# Allegro board LAY-95869_A.brd (continued)
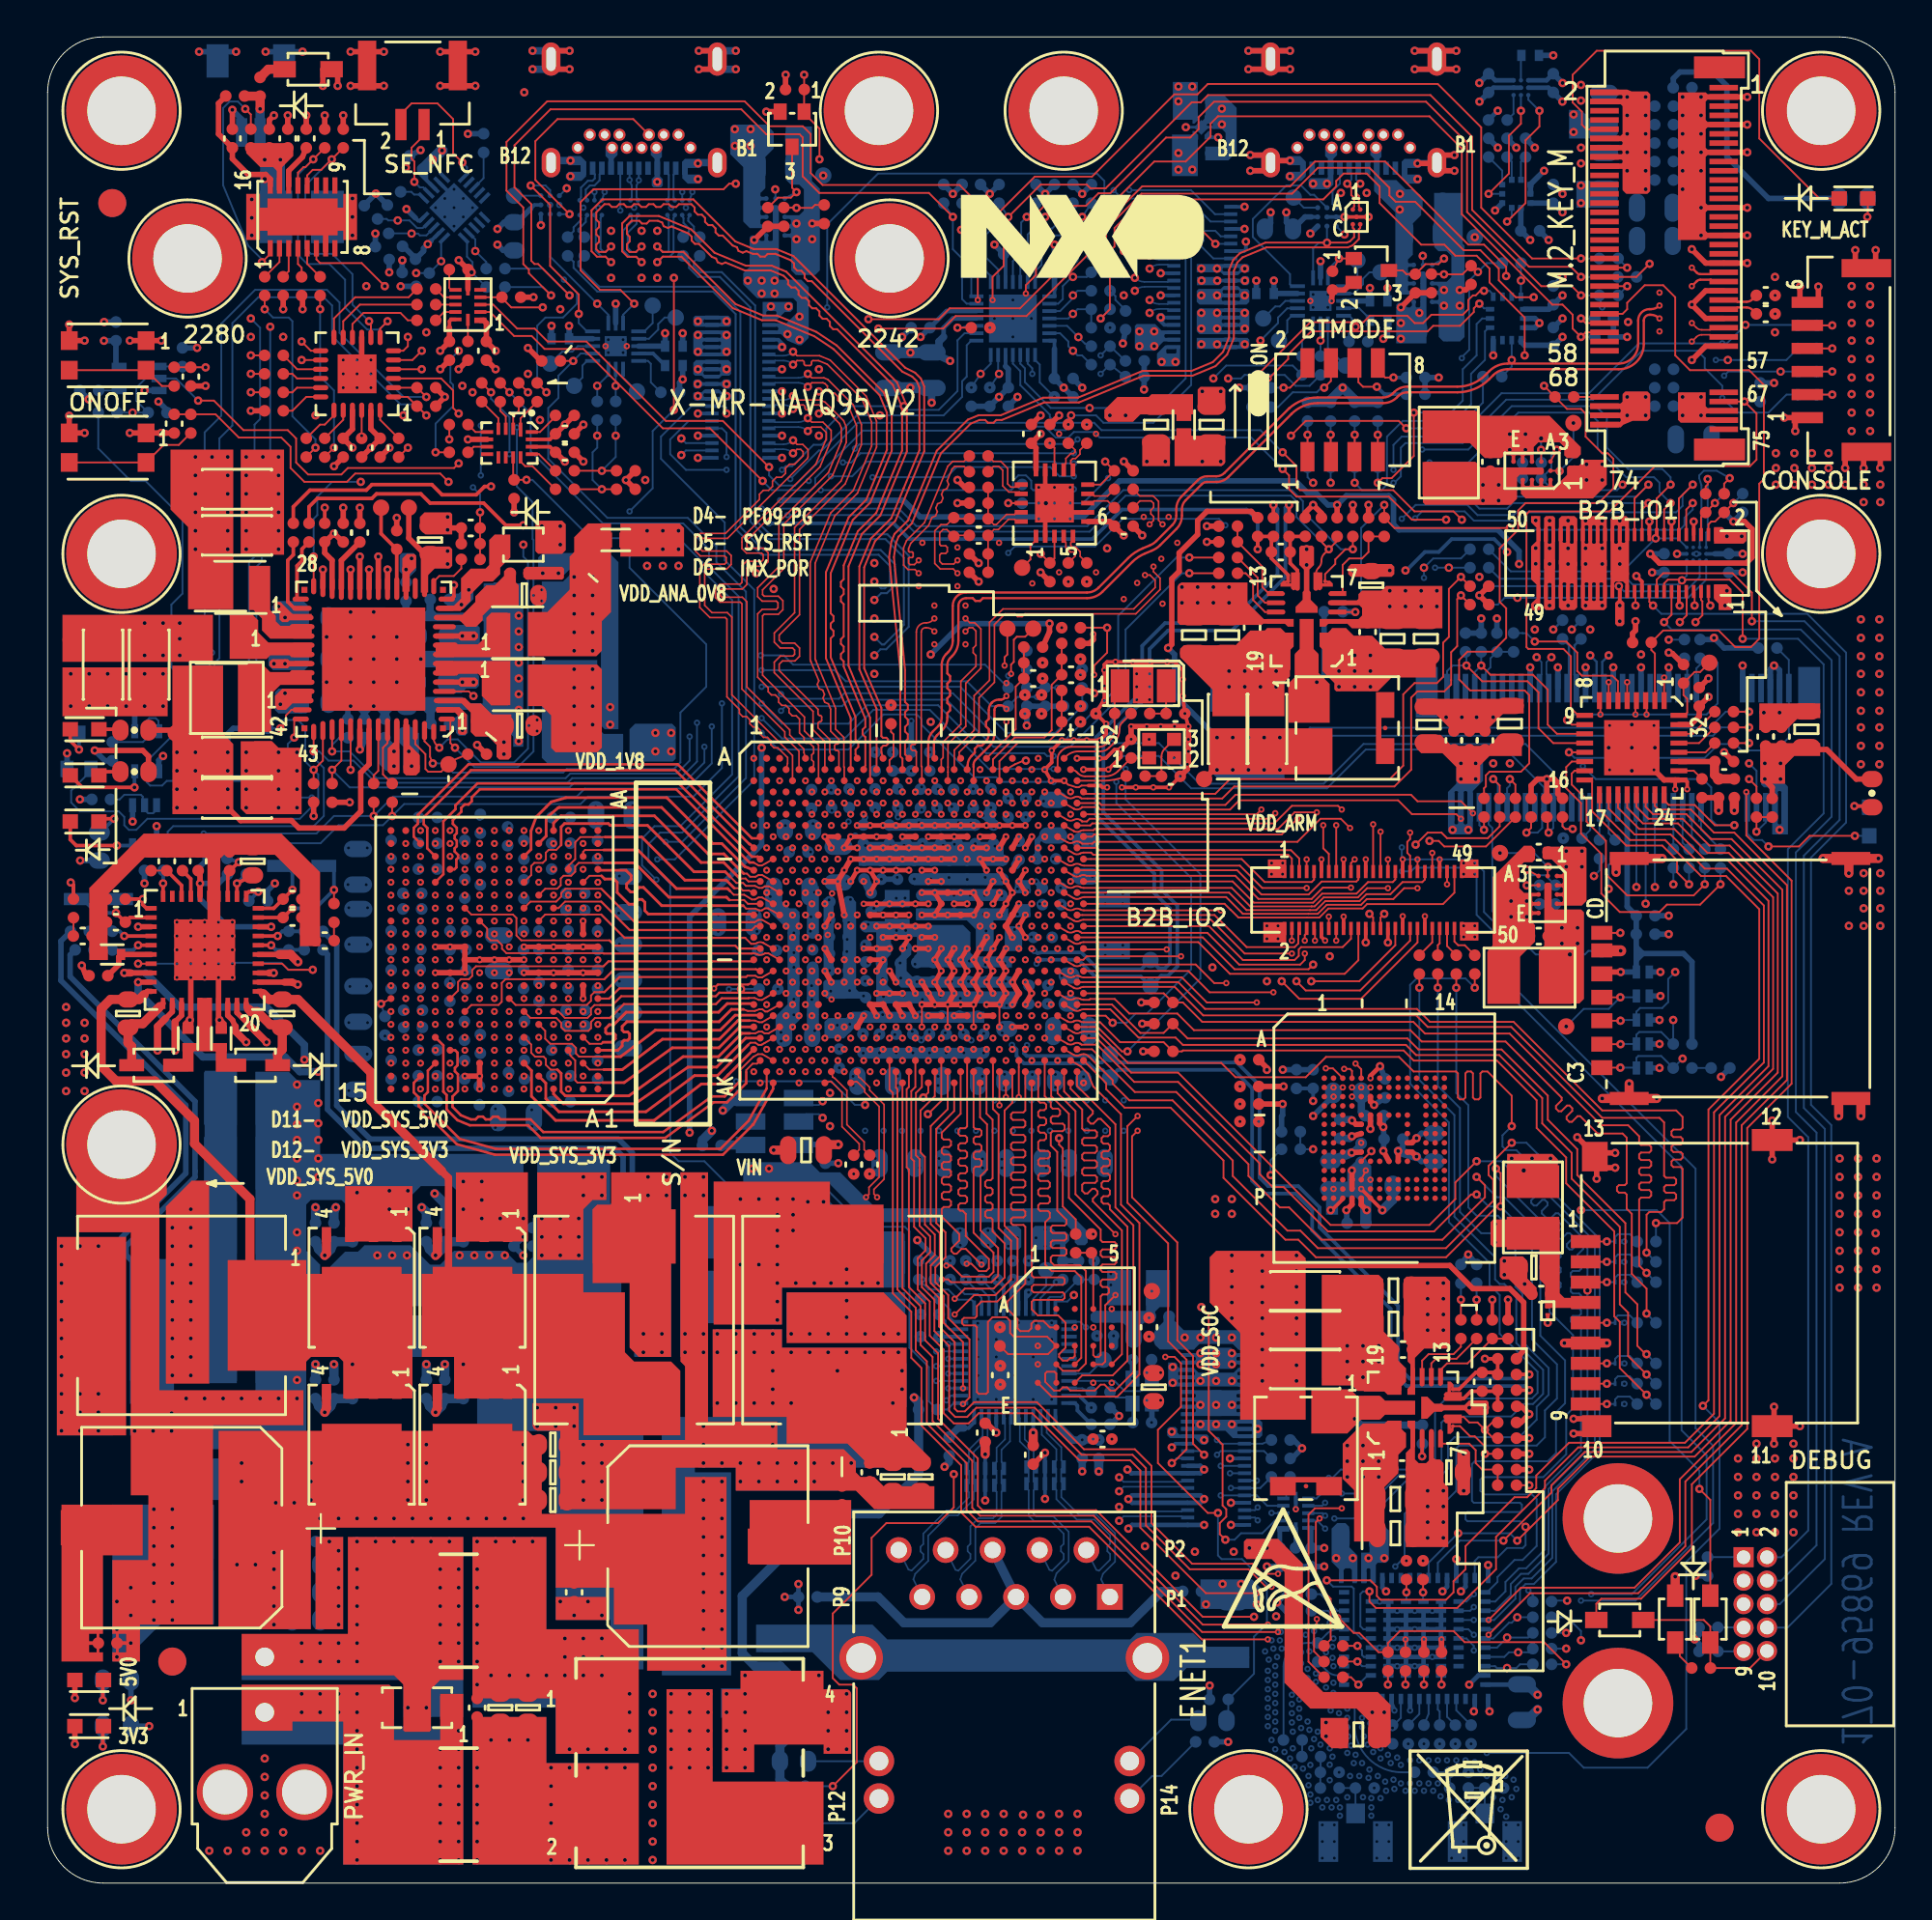
[diagram p0: board, top side]
## Routing (per net, layer and track width the routed paths; a pad name or vN(x,y) marks a point on that pad's centre or on a via; arc(x,y) is an arc through that point)
AVDD10_RTL: length 5.2
  TOP w0.3: v1(51.35,24.4) 50.84,24.91 C416.1
  TOP w0.5: C417.1 v1(53.35,24.4)
  BOTTOM w0.2: v3(56.49,25.75) 55.84,26.4 U35.47 ; U35.4 v1(53.35,24.4) ; U35.9 v1(51.35,24.4)
  BOTTOM w0.5: v3(57.7,29.64) v3(57.7,29.1)
AVDD33_RTL: length 5
  BOTTOM w0.2: U35.1 54.55,24.95 54.85,24.65 ; 49.6,24.65 49.85,24.65 50.15,24.95 U35.12
  BOTTOM w0.4: v3(56.9,24.01) v3(56,24.01) 55.99,24 55.5,24 54.85,24.65 ; v3(48.8,24.16) 49.29,24.65 49.6,24.65
DVDD10_RTL: length 9.9
  L8_IN2 w0.3: v3(48.26,29.6) 48.26,29.61 48.53,29.88 54.77,29.88 55.01,29.64 v3(56.8,29.64)
  BOTTOM w0.2: U35.22 v3(48.26,29.6)
DVDD33_RTL: length 41.7
  L3_IN1 w0.5: v1(46.9,26.3) 46.9,34.65 v1(47.08,34.83)
  BOTTOM w0.3: v1(47.08,34.83) 48,33.9 R315.1 ; R309.2 R319.1 R318.1
  BOTTOM w0.5: v1(46.9,26.3) 47.14,26.06 R336.1 47.15,25.64 47.15,22.15 45,20 42.05,20 37.6,15.55 37.6,12.45 38.3,11.75 39.65,11.75 40.75,10.65 40.75,8.55 39.64,7.44 R359.1 39.64,5.6 R367.1
  vias: v3(52.25,32.69) v3(53.1,32.69) v3(53.5,34.95) v3(54,35.4) v3(54,34.5)
GND: length 978.7
  TOP w0.1: v11(47.32,46.38) v8(47.32,47.59) ; v8(55.02,59.71) 55.23,59.5 55.67,59.36 55.82,59.36 55.97,59.45 56.35,59.45 ; v8(48.72,46.38) v11(48.72,47.59) ; v11(51.52,47.59) v11(51.52,46.38) ; v8(50.12,46.38) v11(50.12,47.59)
  TOP w0.2: v11(61.75,62.65) v11(61.56,63.35) v11(61.45,64.3) v11(61.45,65.2) 61.45,65.7 61,66.15 v11(60.6,66.15) v11(59.65,66.15) v11(58.75,66.15) v11(57.8,66.15) 57.35,66.15 57.2,66 v11(57.2,65.7) v11(57.2,64.85) v11(57.2,64.05) 57.14,64.03 v11(56.74,63.35) v11(57.3,62.79) 57.3,62.25 v11(56.95,61.9) v11(56.25,61.9) v11(55.55,61.9) v11(54.9,61.9) v11(54.35,61.35) 54.35,60.7 53.97,60.32 v8(53.97,60.32) v8(54.32,59.71) v8(55.02,59.71) ; v11(61.31,59.95) 60.71,59.35 v11(60.7,59.35) v11(59.85,59.35) v11(58.9,59.35) v11(58.15,59.35) ; J4.17 v8(70.15,55.45) ; v1(88.34,69.2) 88.35,69.2 88.3,69.25 J3.11 ; v1(86,70.8) 86.3,70.5 J3.21 ; J4.43 v8(75.35,55.45) ; J3.8 v1(89.1,73.75) ; J4.12 68.95,51.25 v4(69.15,51.05) ; J3.20 v1(86.7,73.75) ; v1(72.25,36.45) 71.61,37.09 U15.P6 v11(71.11,37.6) U15.N5 ; J4.11 v8(68.95,55.45) ; J3.14 v1(87.9,73.75) ; U10.25 88.65,59.75 88.75,59.65 v8(88.75,59.25) ; J4.24 v1(71.35,50.95) ; v1(70.2,90.25) U2.B1 v1(71.5,90.25) ; v8(88.1,59.25) 88.1,59.75 ; v8(55.72,60.92) v11(56.93,60.92) 57.27,60.92 57.75,61.4 58.09,61.4 v11(58.1,61.41) 58.1,61 v11(57.42,60.32) v8(56.07,60.32) ; J4.34 v8(73.35,52.37) ; v11(57.35,59.35) 57.1,59.35 57,59.45 56.35,59.45 ; J4.40 v8(74.55,52.37) ; J4.33 v8(73.35,55.45) ; J4.23 v8(71.35,55.45) ; J4.30 v1(72.55,50.95) ; J4.18 v4(70.15,52.35)
  TOP w0.25: v8(54.5,74.75) 54,75.25 U7.14 ; v8(54.5,74.75) 54,74.25 U7.2 ; v8(54.5,74.75) 55,74.25 U7.7
  TOP w0.254: v11(44.87,51.83) v8(45.57,51.83) v11(46.27,51.83) v8(46.97,51.83) v11(47.67,51.83) ; v8(47.67,53.04) v8(46.97,53.04) v11(46.27,53.04) v8(45.57,53.04) v11(44.87,53.04) v8(44.17,53.04) ; v11(52.22,46.38) v11(52.92,46.38) ; v11(71.6,43.6) 71.6,43.73 v1(72.12,44.24) ; v8(49.77,53.04) v8(49.07,53.04) ; v11(51.52,53.65) v8(51.17,53.04) ; v8(45.57,50.62) 45.57,50.62 v11(44.87,50.62) v8(44.17,50.62) ; v8(52.92,54.86) v11(52.57,54.26) v8(52.92,53.65) ; v8(46.97,50.62) v8(47.67,50.62) ; v8(51.87,55.47) v11(51.17,55.47) v8(50.47,55.47) v11(50.82,54.86) ; v11(52.92,51.23) v8(52.57,51.83) v8(52.92,52.44) ; v11(52.92,57.29) v8(52.22,57.29) v11(51.52,57.29) v8(50.82,57.29) v11(50.12,57.29) v8(49.42,57.29) v11(48.72,57.29) v8(48.02,57.29) v11(47.32,57.29) v8(46.62,57.29) v11(45.92,57.29) v8(45.22,57.29) v11(44.52,57.29) v8(43.82,57.29) ; v11(47.67,54.26) v8(48.37,54.26) ; v8(46.27,48.19) v11(45.57,48.19) v8(44.87,48.19)
  TOP w0.3: v11(45.92,48.8) v8(45.57,49.41) ; 98.45,77.4 99.2,77.4 v1(99.2,76.65) ; 98.45,77.4 J2.SH1 97.3,77.53 v1(97.3,76.65) ; 98.45,77.4 98.3,77.25 v1(98.3,76.65) ; U9.27 v1(14.9,71.15) ; v1(89,88.5) 89.75,87.75 J1.39 v1(92,87.75) ; v1(97.85,88.45) 97.85,87.47 J2.SH2 98.95,87.47 v1(98.95,88.45) ; R59.2 68.07,74.22 v1(68.5,74.65) 68.95,74.2 R64.2 ; v1(1.17,79.48) SW3.2 v1(2,78.55) ; v1(72.3,40.95) 72.11,41.15 U15.E7 ; R146.2 v1(79.05,31.6) ; 83.75,38.75 J6.13 83.75,39.45 ; 83.75,38.75 83.85,38.65 v1(83.85,38.15) ; 83.75,38.75 v1(84.85,38.75) ; J1.57 89.75,83.25 v1(89,82.5) ; U12.V32 v11(48.72,50.01) v8(49.07,49.41) v8(48.72,48.8) v11(49.07,48.19) v11(48.72,47.59) ; J6.11 v1(94.85,24.75) ; J6.11 93.45,24.85 v1(93.45,25.8) ; J6.11 93.45,24.65 v1(93.45,23.8) ; Q1.2 v1(38.9,95.95) ; v1(4.45,83.55) SW1.1 v1(6.15,83.55) ; C42.2 89.41,64.76 v1(89.9,65.25) ; 17.3,99.2 J10.S2 17.3,97.35 ; 17.3,99.2 v1(18.2,99.2) ; 17.3,99.2 v1(16.4,99.2) ; C2.2 v1(13,95.75) ; C24.2 v1(16,74.5) ; v1(67.25,98.25) 66.2,98.25 ; 66.2,98.25 v1(65,98.25) ; 66.2,98.25 J12.SH3 66.2,99.25 ; C13.2 53.26,79.01 v1(53.75,79.5) ; 83.75,39.45 83.75,39.55 v1(84.85,39.55) ; 83.75,39.45 v1(82.8,40.4) ; R295.2 v1(66.9,43.15) ; v1(41.39,89.89) 42.03,89.89 R8.2 ; 22.2,99.2 J10.S1 22.2,97.35 ; 22.2,99.2 v1(23.15,99.2) ; 22.2,99.2 v1(21.25,99.2) ; 66.2,93.3 66.2,93.6 v1(65.1,93.6) ; 66.2,93.3 v1(67.25,93.3) ; 66.2,93.3 J12.SH1 66.2,92.75 v1(65.1,92.75) ; U10.25 87.5,59.75 v8(86.95,60.3) ; v11(61.31,59.95) 61.7,60.34 v11(61.7,60.6) 61.75,60.65 v11(61.75,61.3) v11(61.75,61.95) v11(61.75,62.65) v11(61,62.65) v11(60.25,62.65) v11(59.5,62.65) v11(58.65,62.65) v11(58.65,61.96) v11(58.1,61.41) ; C6.2 21.74,82.49 v1(21.25,82) ; U15.H10 73.85,40.1 v1(74.1,40.35) ; U3.6 22.75,87.39 R11.2 v1(22.25,87.9) ; v1(82.6,25.15) 83.45,25.15 J6.10 83.8,24.75 83.4,24.35 v1(82.6,24.35) ; v1(76.15,93.6) 75.2,93.6 J12.SH2 75.2,93.15 ; J1.27 v1(92,90.75) ; C12.2 28.51,78.51 v1(29,79) ; v1(90.75,61.25) 91.25,60.75 C59.2 ; v11(42.77,54.26) v8(42.07,54.26) ; v11(42.77,54.26) v11(43.12,52.44) ; v11(42.77,54.26) v8(43.12,54.86) v8(43.47,55.47) v11(44.17,55.47) v8(44.87,55.47) v11(45.57,55.47) v8(46.27,55.47) v11(46.97,55.47) v8(47.67,55.47) v11(48.37,55.47) v8(49.07,55.47) ; v8(69.5,85.7) R13.2 70.19,86.29 70.6,86.7 Q2.2 ; v1(74.15,93.15) 75.2,93.15 ; 75.2,93.15 75.2,92.75 v1(76.15,92.75) ; C7.2 23.76,82.49 v1(24.25,82) ; J1.9 v1(92,95.25) ; v1(93.35,41.3) J6.12 ; J6.12 v1(93.35,39.2) ; J6.12 v1(94.85,40.25) ; v8(47.32,48.8) v11(47.67,48.19) v8(48.02,47.59) ; v1(1.17,84.42) SW1.2 v1(2,83.55) ; v11(48.72,47.59) v8(49.42,47.59) v11(50.12,47.59) v11(50.47,48.19) v8(50.12,48.8) v11(50.47,49.41) v8(50.12,50.01) U12.V36 v11(50.82,51.23) ; v11(48.72,47.59) v8(48.02,47.59) ; J1.45 89.75,86.25 v1(89,85.5) 89.75,84.75 J1.51 ; v1(29,77) 28.51,77.49 C16.2 ; U9.24 v1(16.4,71.15) ; R75.2 v1(50.4,71.5) ; J1.15 v1(92,93.75) ; U12.V40 v8(51.52,50.01) v11(51.87,49.41) v8(51.52,48.8) v8(51.87,48.19) v11(51.52,47.59) v8(50.82,47.59) ; v1(65,99.25) 66.2,99.25 ; 66.2,99.25 v1(67.25,99.25) ; J1.33 v1(92,89.25) ; v1(95.85,86.47) 95.85,85.62 J2.6 94.85,85.62 v1(94.85,86.47) ; v1(70.3,36.45) 70.61,36.76 U15.P4 ; C9.2 6.41,78.54 6.4,78.55 v1(6.15,78.55) SW3.1 v1(4.45,78.55) ; R36.2 v1(11,79.75) ; C14.2 v1(15.5,76.75) ; R2.2 39.94,97.94 v1(39.95,97.95) ; v8(47.32,47.59) v8(48.02,47.59) ; v1(76.25,98.25) 75.2,98.25 ; 75.2,98.25 J12.SH4 75.2,99.25 ; 75.2,98.25 v1(74,98.25) ; v1(28.25,99.25) 27.25,99.25 J13.SH3 27.25,98.25 v1(28.25,98.25) ; R58.2 v1(62.75,73.5) ; R18.2 13.8,85.94 v1(13.8,85.25) ; C417.2 53.37,22.69 v1(53.99,23.31) ; C15.2 v1(18.5,77.75) ; U15.J5 v1(70.59,39.56) ; R25.2 v1(22.25,82) ; R67.2 v1(71.5,74.65) ; U15.G5 v1(70.6,40.45) ; U13.3 v1(4.9,51.8) ; R12.2 76.75,86.29 v1(76.44,86.29) ; R56.2 v1(49.25,74.75) ; U12.J43 53.27,56.68 ; v1(21.65,73.3) 21.75,73.4 C23.2 R74.2 ; U15.K8 v1(72.3,39.66) ; D12.C v1(1.48,7.53) ; v1(21.25,97.35) 22.2,97.35 ; 22.2,97.35 v1(23.15,97.35) ; v1(59.25,73) 58.76,73.49 C22.2 ; v1(76.25,99.25) 75.2,99.25 ; 75.2,99.25 v1(74,99.25) ; R150.2 79.77,25.83 v1(80.2,25.4) 79.75,24.95 R151.2 ; C25.2 v1(16.9,74.5) ; v1(16.4,97.35) 17.3,97.35 ; 17.3,97.35 v1(18.2,97.35) ; v10(16.75,81.75) 17,82 U4.9 ; v8(52.92,48.8) v8(53.27,48.19) v8(52.92,47.59) ; v1(35.25,98.25) 36.25,98.25 J13.SH4 36.25,99.25 v1(35.25,99.25) ; C3.2 v1(14,95.75) ; C1.2 v1(10,96.05) ; D11.C v1(1.48,10.03) ; R72.1 v1(18.9,73.95) ; C8.2 8.54,81.09 v1(8.55,81.1) ; R154.2 v1(80.2,22.4) ; J1.3 v1(92,96.75) ; U5.6 v1(22.75,78.2) ; v1(12.75,85.25) R17.2
  TOP w0.5: J5.G1 v1(87.1,42.5) ; J5.G1 v1(85.61,43.3) ; J5.G1 v1(84.15,42.5) ; 97.3,55.5 97.5,55.3 v1(97.5,54.7) ; 97.3,55.5 v1(96.1,55.5) ; 97.3,55.5 J5.G4 v1(99.1,55.5) ; v1(82.1,29.25) J6.6 v1(84.4,29.25) ; C416.2 v1(50.75,23.23) ; v1(96.95,41.55) 96.95,42.5 J5.G3 98.15,42.5 v1(98.15,41.55) ; v1(87.4,55.5) J5.G2 84.9,55.5 v1(84.9,54.75) ; C365.2 v1(39.3,39.7)
  TOP w0.6: v1(85.15,50.5) 84.15,50.5 J5.C5
  L2_GND1 w0.25: 73.75,93.47 J12.B1 73.22,94 ; 28.7,93.47 J13.B12 29.23,94 ; 34.27,94 J13.B1 34.8,93.47 ; 68.18,94 J12.B12 67.65,93.47
  L2_GND1 w0.3: v11(56.07,43.34) v12(56.45,43.15)
  L2_GND1 w0.4: 36.25,97.5 J13.SH4 ; J13.SH4 35.34,98.8 ; J13.SH4 37.16,98.8 ; 65.29,98.8 J12.SH3 ; J12.SH3 66.2,97.5 ; J12.SH3 67.11,98.8 ; 27.25,91.99 J13.SH1 ; J13.SH1 28.16,93.19 ; J13.SH1 26.34,93.19 ; 65.29,93.19 J12.SH1 ; J12.SH1 67.11,93.19 ; J12.SH1 66.2,91.99 ; J12.SH4 76.11,98.8 ; J12.SH4 74.29,98.8 ; J12.SH4 75.2,97.5 ; 36.25,91.99 J13.SH2 ; J13.SH2 35.34,93.19 ; J13.SH2 37.16,93.19 ; J13.SH3 28.16,98.8 ; J13.SH3 27.25,97.5 ; J13.SH3 26.34,98.8 ; 74.29,93.19 J12.SH2 ; J12.SH2 75.2,91.99 ; J12.SH2 76.11,93.19
  L2_GND1 w0.5: 9.6,3.21 J9.S1 ; J9.S1 9.6,6.65 ; J9.S1 11.32,4.93 ; J9.S1 7.88,4.93 ; J9.S2 13.9,6.65 ; J9.S2 13.9,3.21 ; J9.S2 12.18,4.93 ; J9.S2 15.62,4.93
  L3_IN1 w0.3: v12(43.85,53.4) v8(44.17,53.04)
  L4_GND2 w0.2: v9(67.56,20.25) v6(67.56,19.85)
  L4_GND2 w0.25: 73.75,93.47 J12.B1 73.22,94 ; 34.8,93.47 J13.B1 34.27,94 ; 29.23,94 J13.B12 28.7,93.47 ; 67.65,93.47 J12.B12 68.18,94
  L4_GND2 w0.3: v9(27.38,56.31) v6(26.98,55.96) v8(26.58,55.61) ; v8(40.67,56.68) v6(40.61,56.16) v8(41.02,56.08) ; v8(20.18,52.11) v6(20.58,52.46) ; v6(20.58,52.46) v9(20.18,52.81) ; v6(20.58,52.46) v8(20.98,52.11) ; v10(60.2,51.15) v6(60.2,51.55) ; v12(43.35,49.9) v6(42.95,50) ; v8(43.47,46.98) 43.14,46.78 v6(43.13,46.79) ; v8(47.67,53.04) v6(48.1,53.05) ; v8(24.98,47.21) v6(25.38,46.86) ; v8(52.57,51.83) v6(52.21,52.05) ; v12(51.55,29.45) 51.88,29.65 v6(52.1,30) ; v12(51.55,29.45) v6(52.1,29) ; v12(51.55,29.45) 51.21,29.65 v6(51,30) ; v12(51.55,29.45) v6(51,29) ; v8(46.97,45.77) v6(46.77,45.39) ; v10(18.5,75.9) v6(18.9,75.9) ; v8(19.38,45.11) v6(18.98,44.76) ; v8(55.37,54.26) v6(55.1,54.55) ; v10(64.5,50.3) v6(64.5,50.7) ; v11(43.12,52.44) v6(43,52.85) ; v10(74.25,47.75) v6(74.25,47.35) ; v8(28.18,48.61) v6(28.58,48.26) v8(28.18,47.91) ; v8(46.97,53.04) v6(46.58,52.98) ; v10(80.05,55.65) v6(80.05,56.05) ; v8(55.02,59.71) v6(55.4,59.55) v8(55.37,59.11) ; v10(44.35,81.1) v6(44.63,81.38) ; v8(22.58,51.41) v6(22.98,51.06) ; v6(22.98,51.06) v8(23.38,50.71) ; v6(22.98,51.06) v8(23.38,51.41) ; v10(8.2,55.5) v6(8.2,55.9) ; v8(25.78,47.91) v6(26.18,47.56) v8(26.58,47.21) ; v10(79.2,14.4) v6(78.8,14.4) ; v10(74.3,65.9) v6(74.3,66.3) ; v8(27.38,47.91) v6(27.78,47.56) v9(28.18,47.21) ; v10(74.3,61.4) v6(74.3,61.8) ; v8(18.58,45.81) v6(18.98,46.16) v8(19.38,46.51) ; v6(21.38,50.36) v8(21.78,50.01) ; v10(94.15,14.95) v6(94.15,15.35) ; v8(24.18,56.31) v6(23.78,56.66) ; v10(94.15,16.15) v6(94.15,16.55) ; v6(43.8,50.95) v8(44.17,50.62) v6(44.47,50.37) v12(44.25,49.85) ; v8(20.18,45.81) v6(19.78,45.46) ; v8(55.37,55.47) v6(55.8,55.5) ; v10(54.5,82.2) v6(54.78,82.48) ; v8(21.78,47.21) v6(22.18,47.56) v8(22.58,47.91) ; v10(82.15,82.2) v6(82.15,81.8) ; v10(84.6,88.35) v6(84.88,88.07) ; v8(54.32,58.5) v6(54.75,58.45) ; v8(27.38,50.01) v6(27.78,49.66) ; v8(51.17,51.83) v6(51.38,51.48) ; v8(41.02,51.22) v6(40.6,51.1) ; v9(19.38,53.51) v6(18.98,53.86) v8(18.58,54.21) ; v8(46.27,55.47) v6(46.04,55.8) ; v8(43.47,55.47) v6(43.86,55.56) ; v10(76.6,6.95) v6(77,6.95) ; v10(69.4,13.55) v6(69.12,13.83) ; v10(68.55,51.85) v6(68.15,51.85) ; v9(24.18,51.41) v6(23.78,51.76) ; v10(57.55,60.7) v6(57.15,60.7) ; v8(26.58,44.41) v6(26.98,44.06) v9(27.38,43.71) ; v8(23.38,45.11) v6(22.98,44.76) v8(22.58,45.11) ; v10(77.25,49.2) v6(77.25,49.6) ; v8(24.98,52.81) v6(25.38,53.16) ; v8(48.72,48.8) v6(48.31,48.79) ; v10(57.05,62.2) v6(56.77,62.48) ; v8(49.77,53.04) v6(50.17,53.12) ; v10(73.2,53.75) v6(73.2,54.15) ; v8(29.78,45.81) v6(29.38,46.16) v9(28.98,46.51) ; v8(20.98,47.91) v6(20.58,47.56) v9(20.18,47.21) ; v10(68.7,68.6) v6(68.7,69) ; v8(28.18,51.41) v6(28.58,51.76) ; v8(51.17,53.04) v6(50.76,53.08) ; v8(41.02,47.59) v6(40.8,47.95) ; v8(48.02,47.59) v6(48.45,47.42) ; v8(23.38,47.21) v6(22.98,46.86) ; v8(29.78,48.61) v6(30.18,48.26) ; v10(9.75,65.95) v6(9.75,66.35) ; v8(20.98,51.41) v6(20.58,51.76) v8(20.18,51.41) ; v8(28.18,45.81) v6(28.58,45.46) ; v10(45.2,77.3) v6(45.48,77.58) ; v8(47.67,50.62) v6(47.33,50.39) v8(46.97,50.62) ; v10(54.8,86.95) v6(54.4,86.95) ; v8(69.5,85.7) v6(69.7,86.05) ; v6(52.1,28) 51.98,28.49 v12(51.55,28.55) 51.09,28.48 v6(51,28.05) ; v6(43.13,46.79) v8(43.12,46.38) ; v6(43.13,46.79) 43.11,46.78 v8(42.77,46.98) ; v6(21.38,42.66) v8(21.78,43.01) ; v10(59.95,57.05) v6(59.95,57.45) ; v8(45.57,50.62) v6(45.81,50.24) ; v10(64.25,54.15) v6(64.25,54.55) ; v6(53,30) v6(53,29) v8(53.6,29.1) ; v8(19.38,50.01) v6(18.98,49.66) ; v6(55,49.6) v8(55.37,49.41) v6(55.3,48.9) ; v8(24.18,49.31) v6(24.58,48.96) ; v10(61.9,78.5) v6(62.18,78.78) ; v8(24.18,46.51) v6(23.78,46.16) ; v10(60.15,31.1) v6(60.43,31.38) ; v10(50,85.05) v6(49.6,85.05) ; v10(63.1,46.55) v6(63.1,46.95) ; v12(56.45,43.15) v6(56.85,43.15) ; v10(58.85,80.25) v6(58.45,80.25) ; v8(50.12,48.8) v6(49.46,48.88) ; v10(58.55,82.25) v6(58.15,82.25) ; v8(24.18,54.21) v6(24.58,54.56) ; v10(21.05,75.9) v6(20.65,75.9) ; v10(77.35,39.9) v6(77.35,40.3) ; v8(49.77,45.77) v6(49.45,45.39) ; v8(25.78,54.91) v6(25.38,55.26) v8(24.98,54.91) ; v10(77.75,15.35) v6(78.15,15.35) ; v8(24.18,47.91) v6(24.58,47.56) ; v8(47.67,59.11) v6(47.69,59.54) ; v8(28.98,45.11) v6(29.38,44.76) ; v8(46.27,59.11) v6(46.27,59.62) ; v6(53,28) 53.19,28.56 v12(53.7,28.6) v8(53.6,29.1) ; v8(50.47,55.47) v6(50.14,55.14) ; v10(72.2,8.4) v6(72.2,8) ; v8(54.32,56.08) v6(54.64,55.83) ; v10(21.5,27) v6(21.5,27.4) ; v10(57.35,75.5) v6(56.95,75.5) ; v8(44.52,45.16) v6(44.6,44.75) v8(44.17,44.56) ; v8(44.87,55.47) v6(44.56,55.73) ; v10(54.35,77.15) v6(53.95,77.15) ; v8(28.18,50.01) v6(28.58,50.36) ; v10(69.7,53.95) v6(69.7,54.35) ; v10(60.95,60) v6(60.95,60.4) ; v10(76.25,8.6) v6(76.25,8.2) ; v8(20.18,50.01) v6(19.78,50.36) ; v10(63.45,42.05) v6(63.17,42.33) ; v10(63.35,45.1) v6(63.35,45.5) ; v8(26.58,57.01) v6(26.98,57.36) ; v10(58.45,35.55) v6(58.17,35.83) ; v10(61,51.15) v6(61,51.55) ; v8(24.18,55.61) v6(24.58,55.96) ; v10(53,68.4) v6(53,68) ; v6(48.88,55.9) 48.92,55.88 v8(49.07,55.47) v6(49.05,55.05) ; v8(22.58,48.61) v6(22.98,48.96) v8(23.38,49.31) ; v8(24.98,48.61) v6(25.38,48.26) ; v10(70.65,16.4) v6(71.05,16.4) ; v8(24.98,50.71) v6(25.38,51.06) ; v10(78.4,37.3) v6(78.4,37.7) ; v8(45.57,49.41) v6(45.77,49.05) ; v8(21.78,44.41) v6(21.38,44.06) v9(20.98,43.71) ; v8(55.37,56.68) v6(55.1,57) ; v8(50.12,50.01) v6(50.49,50.2) v8(50.47,50.62) ; v8(24.18,44.41) v6(24.58,44.06) ; v10(54.5,89.5) v6(54.1,89.5) ; v8(26.58,50.01) v6(26.98,50.36) ; v8(44.87,48.19) v6(44.75,48.6) ; v10(60.75,49.45) v6(60.35,49.45) ; v10(60.9,46.6) v6(60.5,46.6) ; v10(48.85,76.65) v6(49.13,76.93) ; v10(51.75,81.95) v6(52.03,82.23) ; v10(16.2,28.75) v6(16.2,29.15) ; v10(57.15,61.4) v6(56.75,61.4) ; v8(20.98,50.01) v6(20.58,49.66) ; v10(60.45,58.8) v6(60.05,58.8) ; v8(26.58,43.01) v6(26.98,42.66) ; v10(84.1,55.5) v6(84.1,55.9) ; v8(21.78,52.81) v6(22.18,52.46) v8(22.58,52.11) ; v10(76.9,64.6) v6(76.62,64.88) ; v10(94.15,17.45) v6(94.15,17.85) ; v10(77.55,58.55) v6(77.83,58.83) ; v12(49.4,52.42) v6(49.45,51.95) ; v8(48.37,45.77) v6(48.04,45.39) ; v8(49.07,50.62) v6(48.94,51.04) v12(49.27,51.45) ; v8(28.98,54.91) v6(29.38,55.26) ; v6(19.78,54.56) v8(20.18,54.21) ; v8(18.58,50.01) v6(18.18,50.36) ; v10(78.1,81.5) v6(78.1,81.1) ; v10(59.35,51.15) v6(59.35,51.55) ; v10(69,52.85) v6(68.6,52.85) ; v8(25.78,45.11) v6(25.38,44.76) v8(24.98,45.11) ; v9(28.98,53.51) v6(29.38,53.86) v8(29.78,54.21) ; v10(91.85,85.9) v6(91.85,85.5) ; v8(18.58,51.41) v6(18.18,51.76) ; v8(54.32,47.59) v6(54.15,47.21) ; v10(76.3,13.45) v6(76.3,13.85) ; v10(90.25,87.75) v6(90.65,87.75) ; v10(47.85,77.7) v6(48.13,77.98) ; v10(81.35,11.9) v6(81.35,12.3) ; v8(47.32,47.59) v6(46.92,47.5) ; v8(24.18,53.51) v6(23.78,53.86) ; v10(51.6,86.95) v6(51.2,86.95) ; v10(41,77.15) v6(41.4,77.15) ; v10(15,28.75) v6(15,29.15) ; v10(53,65.95) v6(53,65.55) ; v8(55.37,57.89) v6(55.65,58.2) ; v10(67.7,54.4) v6(67.7,54.8) ; v8(29.78,50.01) v6(30.18,50.36) ; v10(43.3,78.45) v6(43.7,78.45) ; v10(75.15,65.9) v6(75.15,66.3) ; v8(50.82,47.59) v6(51.16,47.38) ; v10(80.2,11.2) v6(79.8,11.2) ; v10(54.35,76.3) v6(53.95,76.3) ; v8(29.78,51.41) v6(30.18,51.76) ; v10(58.9,24.05) v6(58.5,24.05) ; v10(59.85,28.7) v6(60.13,28.98) ; v10(21.25,79.45) v6(21.25,79.05) ; v8(53.6,29.1) v12(54,29.15) ; v10(67.1,12.45) v6(66.82,12.73) ; v10(68.95,10.55) v6(68.67,10.83) ; v10(75.25,49.2) v6(75.25,49.6) ; v10(69.9,68.6) v6(69.9,69) ; v10(80.6,16.2) v6(80.32,16.48) ; v8(45.57,53.04) v6(45.55,53.46) ; v10(59.15,56.15) v6(59.15,56.55) ; v8(26.58,52.81) v6(26.18,52.46) v8(25.78,52.11) ; v10(76.15,10.8) v6(76.15,10.4) ; v8(28.18,54.21) v6(28.58,54.56) ; v10(61,45.2) v6(60.6,45.2) ; v10(62.25,54.1) v6(62.53,54.38) ; v10(51.55,78.55) v6(51.55,78.95) ; v8(24.18,52.11) v6(24.58,52.46) ; v10(60.25,78.55) v6(60.53,78.83) ; v10(55.15,84.55) v6(54.75,84.55) ; v10(55.55,61.55) v6(55.95,61.55) ; v8(41.02,46.38) v6(40.66,46.71) ; v8(44.17,54.26) v6(43.9,53.96) ; v8(54.32,53.65) v6(54.45,54.04) ; v10(65.55,21.05) v6(65.15,21.05) ; v10(43.05,76.05) v6(43.33,76.33) ; v8(47.67,55.47) v6(47.24,55.66) ; v10(60.75,65.7) v6(60.75,65.3) ; v8(20.98,48.61) v6(20.58,48.26) v8(20.18,48.61) ; v10(77.85,52.65) v6(77.85,53.05) ; v10(60.7,64) v6(60.7,63.6) ; v8(18.58,48.61) v6(18.18,48.26) ; v12(43.35,48.95) v6(43,48.75) ; v8(28.98,50.01) v6(29.38,49.66) ; v8(28.18,52.81) v6(27.78,52.46) v8(27.38,52.11) ; v10(74.95,8.6) v6(74.95,8.2) ; v10(57.85,64.05) v6(57.45,64.05) ; v6(51.25,43.85) v12(51.2,44.25) ; v10(19.55,78.4) v6(19.27,78.68) ; v6(51,26.75) v8(51.57,27) v6(52.1,26.75) v6(53,26.75) v6(54,26.75) ; v10(19.75,27.65) v6(19.75,28.05) ; v8(19.38,54.91) v6(18.98,55.26) ; v10(39.05,72.95) v6(39.45,72.95) ; v8(24.18,50.71) v6(24.58,51.06) ; v8(68.35,85.7) v6(68.1,85.35) ; v10(72.7,24.5) v6(72.7,24.9) ; v6(22.98,53.16) v8(23.38,52.81) ; v10(90.15,83) v6(89.75,83) ; v8(47.32,48.8) v6(47.23,49.2) ; v10(51.5,89.9) v6(51.5,89.5) ; v8(41.02,52.44) v6(40.75,52.1) ; v10(90.95,86.25) v6(90.55,86.25) ; v8(24.18,45.81) v6(24.58,45.46) ; v8(24.18,43.71) v6(23.78,43.36) ; v10(60.25,80.65) v6(60.53,80.93) ; v10(57.55,59.2) v6(57.15,59.2) ; v8(49.07,53.04) v6(48.7,53.25) ; v10(75,17.9) v6(75.4,17.9) ; v10(76.25,49.2) v6(76.25,49.6) ; v8(45.57,51.83) v6(44.98,51.73) ; v10(67,52.8) v6(67.4,52.8) ; v10(73.9,8.6) v6(73.9,8.2) ; v8(45.57,45.77) v6(45.67,45.36) ; v10(94.15,13.7) v6(94.15,14.1) ; v8(49.42,47.59) v6(49.83,47.56)
  L4_GND2 w0.4: 74.29,98.8 J12.SH4 ; J12.SH4 76.11,98.8 ; J12.SH4 75.2,97.5 ; J13.SH1 28.16,93.19 ; J13.SH1 26.34,93.19 ; J13.SH1 27.25,91.99 ; 27.25,97.5 J13.SH3 ; J13.SH3 26.34,98.8 ; J13.SH3 28.16,98.8 ; 35.34,98.8 J13.SH4 ; J13.SH4 36.25,97.5 ; J13.SH4 37.16,98.8 ; J12.SH3 67.11,98.8 ; J12.SH3 66.2,97.5 ; J12.SH3 65.29,98.8 ; 66.2,91.99 J12.SH1 ; J12.SH1 65.29,93.19 ; J12.SH1 67.11,93.19 ; 35.34,93.19 J13.SH2 ; J13.SH2 37.16,93.19 ; J13.SH2 36.25,91.99 ; 75.2,91.99 J12.SH2 ; J12.SH2 76.11,93.19 ; J12.SH2 74.29,93.19
  L4_GND2 w0.5: 9.6,3.21 J9.S1 ; J9.S1 11.32,4.93 ; J9.S1 9.6,6.65 ; J9.S1 7.88,4.93 ; 12.18,4.93 J9.S2 ; J9.S2 13.9,6.65 ; J9.S2 15.62,4.93 ; J9.S2 13.9,3.21
  L6_POWER2 w0.25: 29.23,94 J13.B12 28.7,93.47
  L6_POWER2 w0.4: 26.34,93.19 J13.SH1 ; J13.SH1 27.25,91.99 ; J13.SH1 28.16,93.19 ; 75.2,91.99 J12.SH2 ; J12.SH2 74.29,93.19 ; J12.SH2 76.11,93.19 ; 67.11,98.8 J12.SH3 65.29,98.8 ; J13.SH4 37.16,98.8 ; J13.SH4 36.25,97.5 ; J13.SH4 35.34,98.8 ; 27.25,97.5 J13.SH3 ; J13.SH3 28.16,98.8 ; J13.SH3 26.34,98.8 ; 76.11,98.8 J12.SH4 74.29,98.8 ; J12.SH1 67.11,93.19 ; J12.SH1 65.29,93.19 ; J12.SH1 66.2,91.99
  L7_GND3 w0.2: v9(67.56,20.25) v6(67.56,19.85)
  L7_GND3 w0.25: 28.7,93.47 J13.B12 29.23,94 ; 73.22,94 J12.B1 73.75,93.47 ; 67.65,93.47 J12.B12 68.18,94 ; 34.27,94 J13.B1 34.8,93.47
  L7_GND3 w0.3: v10(90.95,86.25) v6(90.55,86.25) ; v10(37.7,65.7) v6(37.3,65.7) ; v9(18.58,50.71) v6(18.18,50.36) ; v10(51.55,78.55) v6(51.55,78.95) ; v10(45.2,77.3) v6(45.48,77.58) ; v9(20.98,56.31) v6(21.38,55.96) ; v10(58.85,80.25) v6(58.45,80.25) ; v10(44.05,64.3) v6(44.05,63.9) ; v9(69.3,86.05) v6(69.7,86.05) ; v10(44.05,62.65) 44.05,62.25 ; v9(48.55,47) v6(48.45,47.42) ; v10(75.15,65.9) v6(75.15,66.3) ; v9(17.25,42.92) 16.82,42.92 v6(16.8,42.9) 16.78,42.92 v9(16.3,42.92) ; v6(47.23,49.2) 47.04,48.91 v9(47.06,48.82) ; v9(52.25,84.75) v6(51.75,84.75) ; v9(52.25,84.75) v6(52.25,85.25) ; v9(52.25,84.75) v6(52.75,84.75) ; v9(52.25,84.75) v6(52.25,84.25) ; v9(55.93,56.27) v6(56.16,56.61) v9(56.41,56.28) ; v6(22.98,55.26) v9(22.58,55.61) ; v9(44.25,48.85) v6(44.75,48.6) ; v9(28.18,49.31) v6(27.78,49.66) ; v6(24.58,44.06) 24.95,43.74 v9(24.96,43.74) ; v9(30.91,52.54) v6(31.42,52.54) v9(31.93,52.54) ; v10(51.75,81.95) v6(52.03,82.23) ; v9(30.35,83.6) v6(29.95,83.6) ; v6(51.15,43.15) v9(50.6,43.2) v6(50.3,42.9) ; v6(44.47,50.37) v9(44.2,50.85) v6(43.8,50.95) ; v10(16.2,28.75) v6(16.2,29.15) ; v10(39,75.15) v6(38.6,75.15) ; v10(62.25,54.1) v6(62.53,54.38) ; v9(49.59,44.97) v6(49.45,45.39) ; v6(18.98,49.66) v9(18.58,49.31) ; v10(19.75,27.65) v6(19.75,28.05) ; v10(55.55,61.55) v6(55.95,61.55) ; v9(20.18,47.21) v6(20.58,47.56) ; v9(39.11,53.91) v6(39.45,53.67) v9(39.12,53.44) ; v10(60.75,65.7) v6(60.75,65.3) ; v9(50.74,55.41) v6(51.17,55.64) ; v10(60.95,60) v6(60.95,60.4) ; v9(29.78,55.61) v6(29.38,55.26) ; v9(27.38,43.71) v6(26.98,44.06) ; v10(94.15,14.95) v6(94.15,15.35) ; v9(31.85,47.2) v6(31.4,47.2) v9(30.95,47.2) ; v10(35.85,63.55) v6(35.85,63.95) ; v9(49.04,59.24) v6(49.56,59.52) v9(50.1,59.27) v6(50.41,58.86) ; v9(49.34,47.08) v6(49.83,47.56) ; v9(28.98,46.51) v6(29.38,46.16) ; v6(19.78,54.56) v9(20.18,54.91) ; v9(68.5,85.35) v6(68.1,85.35) ; v9(50.6,39.22) v6(50.25,39.45) ; v10(75,17.9) v6(75.4,17.9) ; v9(46.22,47.06) v6(45.91,47.46) ; v9(47.25,47.05) v6(46.92,47.5) ; v10(90.25,87.75) v6(90.65,87.75) ; v9(46.12,59.24) v6(46.27,59.62) ; v10(15,28.75) v6(15,29.15) ; v10(59.95,57.05) v6(59.95,57.45) ; v9(54.43,55.47) v6(54.64,55.83) ; v9(28.18,50.71) v6(28.58,50.36) ; v10(57.85,64.05) v6(57.45,64.05) ; v10(79.2,14.4) v6(78.8,14.4) ; v10(48.85,76.65) v6(49.13,76.93) ; v10(81.35,11.9) v6(81.35,12.3) ; v10(58.45,35.55) v6(58.17,35.83) ; v9(39.7,45.6) v6(40.05,45.85) v9(39.69,46.08) ; v10(78.1,81.5) v6(78.1,81.1) ; v10(54.35,76.3) v6(53.95,76.3) ; v9(46.41,53.35) v6(46.58,52.98) ; v9(31.15,82.9) v6(31.55,82.9) ; v10(47.4,63.45) v6(47.4,63.85) ; v6(43.9,44) v9(43.6,43.7) ; v9(47.91,48.81) v6(48.31,48.79) ; v10(61.9,78.5) v6(62.18,78.78) ; v9(31.67,58.36) v6(31.67,57.85) v9(31.67,57.34) ; v10(77.85,52.65) v6(77.85,53.05) ; v10(60.2,51.15) v6(60.2,51.55) ; v9(20.18,45.11) v6(19.78,45.46) ; v10(94.15,17.45) v6(94.15,17.85) ; v10(76.6,6.95) v6(77,6.95) ; v10(59.15,56.15) v6(59.15,56.55) ; v9(23.38,57.01) v6(23.78,56.66) ; v10(72.7,24.5) v6(72.7,24.9) ; v9(48.2,59.25) v6(47.69,59.54) v9(47.31,59.38) ; v9(29.78,50.71) v6(30.18,50.36) ; v9(48.8,55.41) v6(49.05,55.05) ; v9(25.78,55.61) v6(25.38,55.26) ; v10(90.15,83) v6(89.75,83) ; v9(46.01,55.39) v6(46.04,55.8) ; v6(25.38,44.76) v9(25.78,44.41) ; v10(39.3,67.8) v6(39.3,68.2) ; v10(76.25,8.6) v6(76.25,8.2) ; v10(84.6,88.35) v6(84.88,88.07) ; v9(44.15,44.96) v6(44.6,44.75) v9(45.03,44.97) ; v10(8.2,55.5) v6(8.2,55.9) ; v10(69,52.85) v6(68.6,52.85) ; v9(44.27,46.95) v6(44.33,47.5) ; v9(54.05,39.23) v6(53.75,39.5) ; v10(68.7,68.6) v6(68.7,69) ; v10(44.35,81.1) v6(44.63,81.38) ; v10(67.7,54.4) v6(67.7,54.8) ; v10(16,82.5) 16.05,82.5 v6(16.4,82.15) ; v9(40.4,47.88) 40.43,47.91 v6(40.8,47.95) ; v10(57.15,61.4) v6(56.75,61.4) ; v10(77.35,39.9) v6(77.35,40.3) ; v10(77.55,58.55) v6(77.83,58.83) ; v9(20.18,52.81) v6(20.58,52.46) ; v9(24.18,51.41) v6(24.58,51.06) ; v6(40.66,46.71) 40.49,46.93 v9(40.4,47.03) ; v9(49.73,55.34) v6(50.14,55.14) ; v9(40.4,52.36) v6(40.75,52.1) ; v10(67.1,12.45) v6(66.82,12.73) ; v9(57.25,50.8) v6(57.25,51.25) ; v9(27.38,42.31) v6(26.98,42.66) ; v9(54.13,47.63) v6(54.15,47.21) ; v10(60.25,80.65) v6(60.53,80.93) ; v6(58.2,51.25) v9(58.2,50.8) v6(57.74,50.51) ; v10(47.85,77.7) v6(48.13,77.98) ; v10(38.65,69.55) v6(38.25,69.55) ; v10(54.25,66.05) v6(54.25,66.45) ; v10(53,65.95) v6(53,65.55) ; v9(24.94,56.33) 24.94,56.31 v6(24.58,55.96) ; v9(47.2,38.75) v6(46.9,38.45) ; v9(23.38,54.21) v6(23.78,53.86) ; v10(57.05,62.2) v6(56.77,62.48) ; v9(49.09,56.27) v6(48.88,55.9) ; v10(80.2,11.2) v6(79.8,11.2) ; v10(74.3,65.9) v6(74.3,66.3) ; v10(70.65,16.4) v6(71.05,16.4) ; v9(30.35,82.9) v6(29.95,82.9) ; v10(65.55,21.05) v6(65.15,21.05) ; v10(41,77.15) v6(41.4,77.15) ; v9(28.18,45.11) v6(28.58,45.46) ; v9(18.58,55.61) v6(18.98,55.26) ; v10(57.55,60.7) v6(57.15,60.7) ; v10(58.55,82.25) v6(58.15,82.25) ; v10(64.25,54.15) v6(64.25,54.55) ; v10(47.5,43.15) v6(47.5,43.6) ; v9(22.58,46.51) v6(22.98,46.86) ; v9(20.98,42.31) v6(21.38,42.66) ; v6(43.36,59.6) 43.35,59.59 v9(43.35,59.21) ; v10(54.5,82.2) v6(54.78,82.48) ; v10(51.6,86.95) v6(51.2,86.95) ; v6(50.76,53.08) 50.74,53.49 v9(50.73,53.5) ; v9(22.58,44.41) v6(22.98,44.76) ; v9(20.18,50.71) v6(19.78,50.36) ; v10(50,85.05) v6(49.6,85.05) ; v10(53,68.4) v6(53,68) ; v10(39.05,72.95) v6(39.45,72.95) ; v10(42.92,53.46) v6(43,52.85) ; v9(23.38,43.01) v6(23.78,43.36) ; v9(28.18,54.91) v6(28.58,54.56) ; v10(57.35,75.5) v6(56.95,75.5) ; v10(64.5,50.3) v6(64.5,50.7) ; v9(23.38,45.81) v6(23.78,46.16) ; v10(60.15,31.1) v6(60.43,31.38) ; v9(50.67,44.97) v6(50.94,45.4) ; v9(26.58,50.71) v6(26.98,50.36) ; v9(57.45,38.75) v6(57.14,38.49) ; v10(73.9,8.6) v6(73.9,8.2) ; v9(54.37,51.2) v6(54.55,51.6) ; v9(26.58,47.91) v6(26.18,47.56) ; v10(45.25,64.35) v6(45.25,63.95) ; v10(74.3,61.4) v6(74.3,61.8) ; v10(76.9,64.6) v6(76.62,64.88) ; v9(25.78,51.41) v6(25.38,51.06) v9(24.98,51.41) ; v9(50.61,38.74) v6(50.25,38.5) ; v10(74.95,8.6) v6(74.95,8.2) ; v10(73.2,53.75) v6(73.2,54.15) ; v9(54.05,38.75) v6(53.74,38.49) ; v10(77.75,15.35) v6(78.15,15.35) ; v9(21.78,50.71) v6(21.38,50.36) ; v9(52.53,56.35) v6(52.25,56.05) ; v6(43.59,47.86) v10(43.89,47.51) ; v10(43.05,76.05) v6(43.33,76.33) ; v9(46.14,49.84) v6(45.81,50.24) ; v9(25.78,53.51) v6(25.38,53.16) ; v10(76.3,13.45) v6(76.3,13.85) ; v10(60.45,58.8) v6(60.05,58.8) ; v6(52.21,52.05) v9(52.34,51.65) v6(51.38,51.48) ; v9(45.93,44.97) v6(45.67,45.36) ; v9(17.32,52.83) v6(16.8,52.83) v9(16.3,52.83) ; v10(43.92,53.44) v6(43.9,53.96) ; v10(55.15,84.55) v6(54.75,84.55) ; v10(63.45,42.05) v6(63.17,42.33) ; v10(21.05,75.9) v6(20.65,75.9) ; v9(46.84,44.97) v6(46.77,45.39) ; v9(44.24,55.39) v6(43.86,55.56) ; v10(82.15,82.2) v6(82.15,81.8) ; v6(50.49,50.2) v9(51.98,50.67) v6(51.73,50.99) ; v9(22.63,48.61) 22.94,48.93 v6(22.98,48.96) ; v9(22.58,53.51) v6(22.98,53.16) ; v9(46.46,50.66) v6(47.33,50.39) ; v9(50.6,43.7) v6(50.3,44) ; v9(43.6,43.2) v6(43.9,42.9) ; v9(40.4,51.47) v6(40.6,51.1) ; v10(67,52.8) v6(67.4,52.8) ; v10(91.85,85.9) v6(91.85,85.5) ; v10(60.25,78.55) v6(60.53,78.83) ; v10(75.25,49.2) v6(75.25,49.6) ; v9(54.14,48.62) v6(54.5,48.4) ; v9(30.95,48.85) v6(31.4,48.85) v9(31.85,48.85) ; v10(43.39,49.95) v6(42.95,50) ; v9(21.78,47.91) v6(22.18,47.56) ; v9(48.17,53.51) v6(48.1,53.05) ; v10(69.4,13.55) v6(69.12,13.83) ; v9(24.24,41.94) v6(24.24,41.43) v9(24.24,40.92) ; v9(19.38,53.51) v6(18.98,53.86) ; v10(37.7,67) v6(37.3,67) ; v9(46.91,55.41) v6(47.24,55.66) ; v6(48.94,51.04) v6(49.45,51.95) 49.44,52.94 v9(49.06,53.51) v6(48.7,53.25) ; v9(51.8,43.81) v6(52.05,43.45) ; v9(19.37,46.42) 19.28,46.42 v6(18.98,46.16) ; v6(17.15,81.4) 17.5,81.05 v10(17.5,81) ; v9(27.38,57.71) v6(26.98,57.36) ; v10(68.95,10.55) v6(68.67,10.83) ; v10(54.5,89.5) v6(54.1,89.5) ; v10(63.1,46.55) v6(63.1,46.95) ; v10(39.9,62.3) 39.9,61.9 ; v10(61,45.2) v6(60.6,45.2) ; v9(36.3,52.45) v6(35.9,52.45) ; v10(16,81) v6(16.4,81.4) ; v10(57.55,59.2) v6(57.15,59.2) ; v9(49.94,53.51) v6(50.17,53.12) ; v10(46.6,44.05) v6(46.6,43.6) ; v9(57.46,39.24) v6(57.15,39.5) ; v10(19.55,78.4) v6(19.27,78.68) ; v9(17.32,46.61) 16.84,46.61 v6(16.8,46.65) 16.76,46.61 v9(16.3,46.61) ; v10(59.85,28.7) v6(60.13,28.98) ; v10(47.4,66) v6(47.4,65.6) ; v10(51.5,89.9) v6(51.5,89.5) ; v9(54.9,49.15) v6(55,49.6) ; v10(80.05,55.65) v6(80.05,56.05) ; v9(16.29,56.07) v6(16.78,55.8) ; v9(31.15,83.6) v6(31.55,83.6) ; v10(60.7,64) v6(60.7,63.6) ; v10(76.25,49.2) v6(76.25,49.6) ; v9(55.65,49.15) v6(55.3,48.9) ; v9(54.83,53.91) v6(54.45,54.04) ; v10(21.25,79.45) v6(21.25,79.05) ; v10(69.9,68.6) v6(69.9,69) ; v10(94.15,13.7) v6(94.15,14.1) ; v10(43.3,78.45) v6(43.7,78.45) ; v9(46.18,49.02) v6(45.77,49.05) ; v10(17.5,82.5) v6(17.15,82.15) ; v10(60.75,49.45) v6(60.35,49.45) ; v10(94.15,16.15) v6(94.15,16.55) ; v9(29.78,44.41) v6(29.38,44.76) ; v10(76.15,10.8) v6(76.15,10.4) ; v9(42.33,52.05) v6(42.66,51.81) ; v10(61,51.15) v6(61,51.55) ; v10(80.6,16.2) v6(80.32,16.48) ; v10(58.9,24.05) v6(58.5,24.05) ; v10(69.7,53.95) v6(69.7,54.35) ; v10(74.25,47.75) v6(74.25,47.35) ; v9(36.3,51.55) v6(35.9,51.55) ; v10(37.3,63.9) v6(37.7,63.9) ; v9(69.3,85.35) v6(69.7,85.35) ; v10(84.1,55.5) v6(84.1,55.9) ; v10(59.35,51.15) v6(59.35,51.55) ; v9(25.78,46.51) v6(25.38,46.86) ; v9(28.11,52.74) v6(27.78,52.46) ; v9(25.78,48.61) v6(25.38,48.26) ; v10(37.7,64.85) v6(37.3,64.85) ; v10(54.8,86.95) v6(54.4,86.95) ; v10(63.35,45.1) v6(63.35,45.5) ; v9(20.98,43.71) v6(21.38,44.06) ; v10(21.5,27) v6(21.5,27.4) ; v10(54.35,77.15) v6(53.95,77.15) ; v9(44.74,59.23) v6(44.34,59.26) ; v10(18.5,75.9) v6(18.9,75.9) ; v9(68.5,86.05) v6(68.1,86.05) ; v10(68.55,51.85) v6(68.15,51.85) ; v9(45,55.44) v6(44.56,55.73) ; v10(77.25,49.2) v6(77.25,49.6) ; v10(46.3,64.55) v6(46.3,64.95) ; v9(40.4,48.73) v6(40.7,49) ; v6(42.39,58.82) 42.41,58.84 v9(42.41,59.21) ; v10(72.2,8.4) v6(72.2,8) ; v9(18.58,44.41) v6(18.98,44.76) ; v9(45.2,47.04) v6(45.2,47.45) ; v9(20.98,57.71) v6(21.38,57.36) ; v10(9.75,65.95) v6(9.75,66.35) ; v9(27.38,56.31) v6(26.98,55.96) ; v9(20.18,49.31) v6(20.58,49.66) ; v10(37.75,62.3) v6(37.35,62.3) ; v9(47.2,39.25) v6(46.9,39.55) ; v9(28.98,53.51) v6(29.38,53.86) ; v9(40.29,55.9) v6(40.61,56.16) ; v9(28.18,47.21) v6(27.78,47.56) ; v9(45.94,53.35) v6(45.55,53.46) ; v9(50.36,47.01) v6(51.16,47.38) ; v10(78.4,37.3) v6(78.4,37.7) ; v9(17.3,56.07) v6(16.8,56.4) ; v10(60.9,46.6) v6(60.5,46.6) ; v9(29.78,49.31) v6(29.38,49.66)